# Altium PCB DAC_Sources_REV2.PcbDoc (part 2 of 9) (continued)
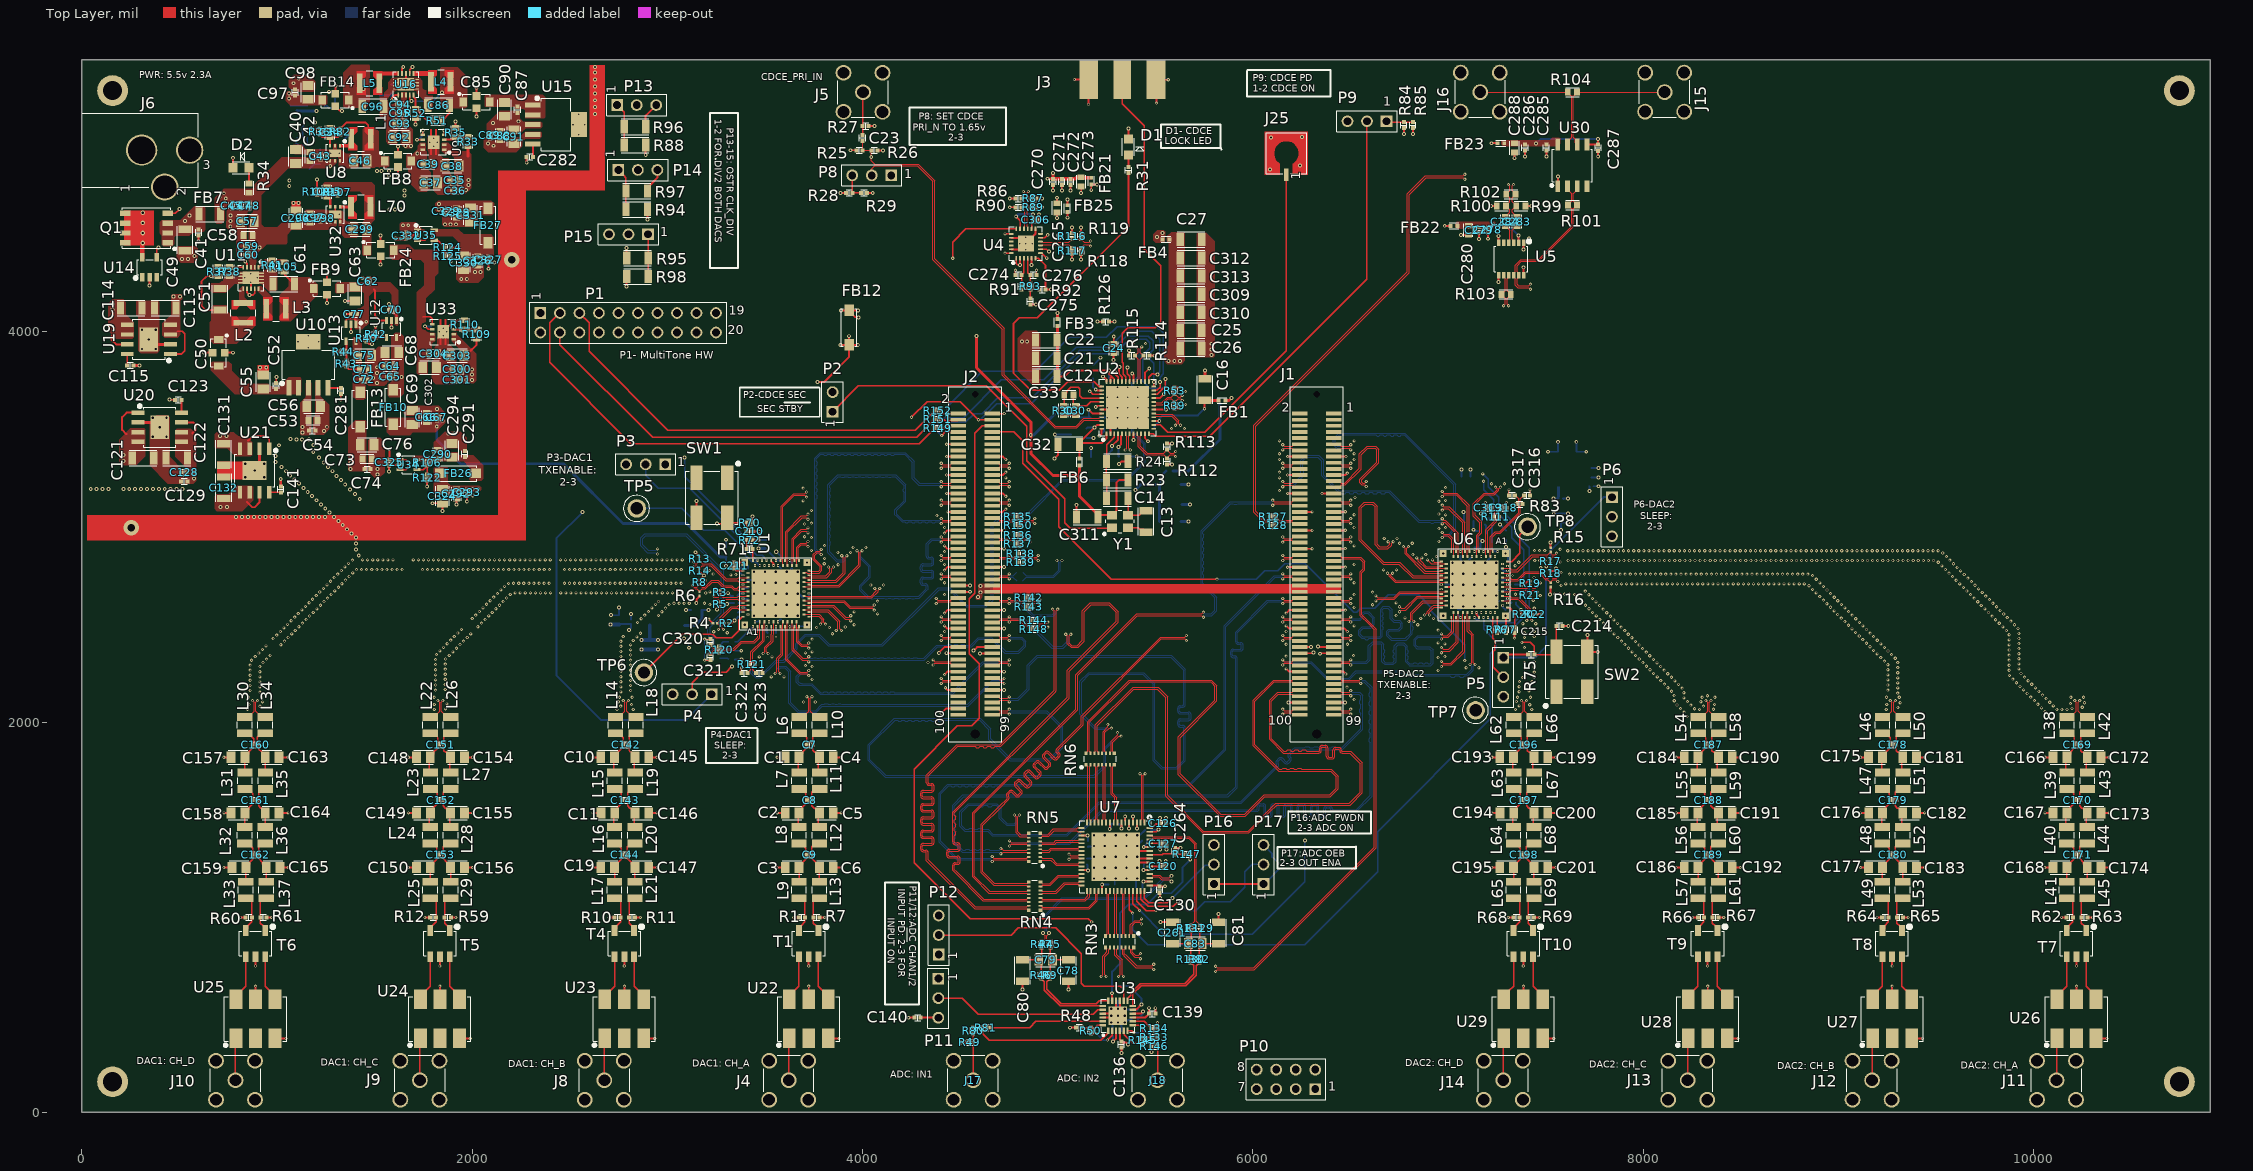
[diagram p0: Top Layer view]
## Part data (continued)
J1 J2: "Conn Fine Pitch Connector PL 100 POS 0.8mm Solder ST Top Entry SMD BergstakÂ® Tube", Package=None, Availability="In Stock", Check_prices=https://www.snapeda.com/parts/61083-104400LF/Amphenol/view-part/?ref=eda, MF=Amphenol, MP=61083-104400LF, Price=None, Purchase-URL=https://pricing.snapeda.com/search/part/61083-104400LF/?ref=eda, SnapEDA_Link=https://www.snapeda.com/parts/61083-104400LF/Amphenol/view-part/?ref=snap
J3: library part 89929399afe843c8b6880c6cbd0f99a, "CONN SMA JACK STR 50OHM EDGE MNT", Case/Package=SMA, Frequency=18GHz, Max Operating Temperature=165°C, Min Operating Temperature=-65°C, Operating Frequency="0 to 18 GHz", Package Quantity=5, Voltage Rating=335V, Body Material=Brass, Body Plating=Gold, Connector Type=SMA, Contact Material=Copper, Contact Plating=Gold, Depth=25.58mm, Fastening Type=Threaded, Gender=Female, Impedance=50R, Length=0.44inch, Max Frequency=18GHz, Mount=Edge, Orientation=Straight, Packaging=Bulk, Radiation Hardening=No, RoHS Compliant=Yes, Series=SMA, Termination=Solder
J4 J5 J8 J9 J10 J11 J12 J13 J14 J15 J16 J17 J18: library part CN-S-4F-RF5, "SMA Right-Angle PCB Jack Receptacle, Brass Body, Gold Plated, 50 Ohm, 5-Pin THD, RoHS, Tray", Manufacturer=Molex, Package Description="5-Pin Through Hole Device, Body 14.8 x 6.35 mm, Pitch 2.54 mm", Datasheet URL=http://www.molex.com/webdocs/datasheets/pdf/en-us/0731000114_RF_COAX_CONNECTORS.pdf, Datasheet Version=09/2016, Manufacturer URL=http://www.molex.com/, Mounting Technology=ThroughHole, Package Reference=731000114, Package URL=http://www.molex.com/pdm_docs/sd/731000114_sd.pdf
J6: library part SWITCH-RAPC712X-3, "Power Jack, 5 A, 3-Pin THD, RoHS, Bulk", Color=Black, Current Rating=5A, Manufacturer=Switchcraft, Standard Package=2,500, Catalog Drawings="RAPC7(1,2)2XSide /  / RAPC7(1,2)2XTop", Category=Connectors,Interconnects, Connector Type=Jack, Contact Material=Brass, Contact Material - Plating=Nickel, Datasheet URL=http://www.mouser.com/ds/2/393/rapc722x_cd-371352.pdf, Datasheet Version="Rev. A, 08/2005", Dynamic Catalog=SwitchcraftInc, Family=Barrel-PowerConnectors, Gender=Male, Housing Color=Black, Housing Material=Thermoplastic, Internal Switch(s)=SingleSwitch,NormallyClosed, Manufacturer URL=http://www.switchcraft.com/, Mating Products="S765-ND / -CONNPLUGMINIPWR2CONDWHT/RED / S760K-ND / -CONNPOWERPLUGMINI.08\"BLACK / SC1052-ND / -CONNPOWERPLUGMINIBLACK", Mounting Type=ThroughHole,RightAngle, Number of Positions/Contacts=2Conductors,2Contacts, Other Names="Q2287470A / RAPC722X-ND / SC1313", Plug/Mating Plug Diameter=2.1mmID,5.5mmOD, RoHS Information=SwitchcraftRoHSInfo, Shielding=Unshielded, Termination=SolderEyelet(s)
J25: library part d2a53f3a980517e545f22a6fb6569cc, "CONN SMP PLUG STR 50 OHM SMD", Dielectric Material=Polymer, Housing Color=Gold, Max Frequency=40GHz, Max Operating Temperature=155°C, Min Operating Temperature=-65°C, Package Quantity=1, Body Material=Brass, Body Plating=Gold, Center Contact Plating=Gold, Connector Type=Plug, Contact Material=Brass, Contact Plating=Gold, Depth=5.2mm, Fastening Type=Pull, Impedance=50R, Length=5mm, Mount="Surface Mount", Orientation=Straight, Packaging="Tape and Reel", Plating=Gold, Radiation Hardening=No, RoHS Compliant=Yes, Series=85305, Termination=Solder
L1 L2 L3 L4 L5 L70 RN3 RN4 RN5 RN6 U22 U23 U24 U25 U26 U27 U28 U29: library part Component_1
L6 L9 L10 L13 L14 L17 L18 L21 L22 L25 L26 L29 L30 L33 L34 L37 L38 L41 L42 L45 L46 L49 L50 L53 L54 L57 L58 L61 L62 L65 L66 L69: library part "Inductor Iron", LatestRevisionDate=17-Jul-2002, LatestRevisionNote="Re-released for DXP Platform.", PackageDescription="Axial Device, Thru-Hole; 2 Leads; 0.9 in Pin Spacing", PackageReference=AXIAL-0.9, Published=24-Mar-1999, Publisher="Altium Limited"
L7 L8 L11 L12 L15 L16 L19 L20 L23 L24 L27 L28 L31 L32 L35 L36 L39 L40 L43 L44 L47 L48 L51 L52 L55 L56 L59 L60 L63 L64 L67 L68: library part "Inductor Iron", "0805HP  33nH", LatestRevisionDate=17-Jul-2002, LatestRevisionNote="Re-released for DXP Platform.", PackageDescription="Axial Device, Thru-Hole; 2 Leads; 0.9 in Pin Spacing", PackageReference=AXIAL-0.9, Published=24-Mar-1999, Publisher="Altium Limited"
P1: "Header, 10-Pin, Dual row", LatestRevisionDate=17-Jul-2002, LatestRevisionNote="Re-released for DXP Platform.", Publisher="Altium Limited"
P2: "Header, 2-Pin", LatestRevisionDate=17-Jul-2002, LatestRevisionNote="Re-released for DXP Platform.", Publisher="Altium Limited"
P3 P4 P5 P6 P8 P9 P11 P12 P13 P14 P15 P16 P17: "Header, 3-Pin", LatestRevisionDate=17-Jul-2002, LatestRevisionNote="Re-released for DXP Platform.", Publisher="Altium Limited"
P10: "Header, 4-Pin, Dual row", LatestRevisionDate=17-Jul-2002, LatestRevisionNote="Re-released for DXP Platform.", Publisher="Altium Limited"
Q1: library part 7382af88e928fdc71488234cfaaf11c, "MOSFET N-CH 60V 100A 8VSON", Continuous Drain Current (ID)=100A, Drain to Source Voltage (Vdss)=60V, Gate to Source Voltage (Vgs)=20V, Input Capacitance=5.07nF, Max Operating Temperature=150°C, Max Power Dissipation=3.2W, Min Operating Temperature=-55°C, Contact Plating=Tin, Element Configuration=Single, Fall Time=3.1ns, Lead Free="Contains Lead", Mount="Surface Mount", Number of Pins=8, Packaging="Tape and Reel", Rds On Max=3.2mR, Rise Time=7.2ns, RoHS Compliant=Yes, Turn-Off Delay Time=22ns, Turn-On Delay Time=5.8ns
R1 R7 R10 R11 R12 R59 R60 R61 R62 R63 R64 R65 R66 R67 R68 R69: library part 1029c3af85768c4190bb7ad29bc67b5, "100Ω ±1% 0.063W 0402 Thick Film Chip Resistor AEC-Q200 compliant", Case Code (Imperial)=0402, Case Code (Metric)=1005, Max Operating Temperature=155°C, Max Power Dissipation=63mW, Min Operating Temperature=-55°C, Power Rating=62.5mW, Resistance=100R, Resistor Type="Thick Film", Temperature Coefficient=100ppm/°C, Tolerance=1%, Case/Package=0402, Construction=Rectangular, Contact Plating=Tin, Depth=0.5mm, Features="Automotive AEC-Q200", Height=0.016inch, Lead Free="Lead Free", Length=1mm, Military Standard=Not, Mount="Surface Mount", Number of Terminations=2, Packaging="Tape and Reel", RoHS Compliant=Yes, Series=RMCF, Width=0.02inch
R2 R3 R4 R5 R6 R8 R13 R14 R15 R16 R17 R18 R19 R20 R21 R22 R31 R37 R51 R72 R77 R99 R100: library part RES, Manufacturer="Vishay Dale"
  R2 R3 R4 R5 R6 R8 R13 R14 R15 R16 R17 R18 R19 R20 R21 R22: Part Number=CRCW020149R9FKED
  R31: Part Number=CRCW0402301RFKED
  R37 R51: Part Number=CRCW0603750KFKEA
  R72 R77: Part Number=CRCW040210R0FKED
  R99 R100: Part Number=CRCW060349R9FKEA
R9 R46 R82 R130 R147: library part 1029c3af85768c4190bb7ad29bc67b5, "RES 33Ω ±1% 0.063W 0402", Case Code (Imperial)=0402, Case Code (Metric)=1005, Max Operating Temperature=155°C, Max Power Dissipation=63mW, Min Operating Temperature=-55°C, Power Rating=62.5mW, Resistance=33R, Resistor Type="Thick Film", Temperature Coefficient=100ppm/°C, Tolerance=1%, Voltage Rating=50V, Case/Package=0402, Construction=Rectangular, Depth=0.5mm, Features="Moisture Resistant", Height=0.015inch, Lead Free="Lead Free", Length=0.039inch, Military Standard=Not, Mount="Surface Mount", Number of Terminations=2, Packaging="Tape and Reel", RoHS Compliant=Yes, Series=AC, Size Code=0402, Termination=SMD/SMT, Weight=2.3E-05oz, Width=0.5mm
R23 R24: library part 1029c3af85768c4190bb7ad29bc67b5, "10kΩ ±1% 0.5W 1206 High Power Anti-Sulfur Thin Film Chip Resistor", Case Code (Imperial)=1206, Case Code (Metric)=3216, Max Operating Temperature=155°C, Max Power Dissipation=500mW, Min Operating Temperature=-55°C, Resistance=10kR, Resistor Type="Thin Film", Temperature Coefficient=100ppm/°C, Tolerance=1%, Case/Package=1206, Features="Moisture Resistant", Height=0.024inch, Length=0.122inch, Mount="Surface Mount", Number of Terminations=2, Packaging="Tape and Reel", RoHS Compliant=Yes, Series=RNCP, Width=0.059inch
R25 R26 R28 R29 R33 R41 R42 R44 R55 R56 R58 R71 R76 R84 R85 R86 R87 R89 R90 R109 R116 R117 R118 R119 R122 R125: library part RES, Manufacturer=Panasonic
  R25 R28 R84: Part Number=ERJ-2RKF82R5X
  R26 R29 R85 R86 R87 R89 R90 R116 R117 R118 R119: Part Number=ERJ-2RKF1300X
  R33 R109: Part Number=ERJ-3EKF3092V
  R41 R55: Part Number=ERJ-3EKF1823V
  R42 R44 R56 R58 R122 R125: Part Number=ERJ2RKF3303X
  R71 R76: Part Number=ERJ-2RKF1271X
R27 R91 R93: library part 8db39607336c341a927600551d01821, "RES SMD 49.9 OHM 1% 1/10W 0402", Case Code (Imperial)=0402, Case Code (Metric)=1005, Max Operating Temperature=155°C, Max Power Dissipation=100mW, Min Operating Temperature=-55°C, Package Quantity=1, Resistance=49.9R, Resistance Tolerance=1%, Resistor Type="Thick Film", Temperature Coefficient=100ppm/°C, Voltage Rating=50V, Case/Package=0402, Construction=Rectangular, Contact Plating=Tin, Depth=0.5mm, Features="Automotive AEC-Q200", Height=0.35mm, Lead Free="Lead Free", Length=1mm, Military Standard=Not, Mount="Surface Mount", Number of Terminations=2, Packaging="Tape and Reel", Power Rating=100mW, Radiation Hardening=No, RoHS Compliant=Yes, Series=ERJ, Technology="THICK FILM", Termination=SMD/SMT, Tolerance=1%, Voltage Rating (DC)=50V, Width=0.02inch, Working Voltage=50V
R30: library part 1029c3af85768c4190bb7ad29bc67b5, "RES 1K OHM 1% 1/10W 0603", Case Code (Imperial)=0603, Case Code (Metric)=1608, Max Operating Temperature=155°C, Max Power Dissipation=100mW, Min Operating Temperature=-55°C, Resistance=1kR, Resistance Tolerance=1%, Resistor Type="Thick Film", Temperature Coefficient=100ppm/°C, Voltage Rating=50V, Case/Package=0603, Construction=Rectangular, Contact Plating=Tin, Depth=0.8mm, Features="Moisture Resistant", Height=0.45mm, Lead Free="Lead Free", Length=1.6mm, Military Standard=Not, Number of Terminations=2, Packaging="Tape and Reel", Power Rating=100mW, Radiation Hardening=No, REACH SVHC="No SVHC", RoHS Compliant=Yes, Series=RC, Size Code=0603, Technology="THICK FILM", Termination=SMD/SMT, Tolerance=1%
R32 R107: library part RES, "750K 0.063W 5% 0402 (1005 Metric)  SMD", Case-EIA=0402, Case-Metric=1005, Power="0.063 W", Tolerance="5 %", Technology=SMT
R34 R35 R110: library part RES-2, "Chip Resistor, 10 KOhm, +/- 1%, 0.1 W, -55 to 155 degC, 0603 (1608 Metric), RoHS, Tape and Reel", Case Code (Imperial)=0603, Case Code (Metric)=1608, Manufacturer=Panasonic, Max Operating Temperature=155degC, Max Power Dissipation=100mW, Min Operating Temperature=-55degC, Package Description="2-Pin Surface Mount Device, Body 1.6 x 0.85 mm", Package Quantity=1, Package Reference=603, Resistance=10KOhm, Temperature Coefficient=100ppm\/degreesC, Tolerance=1%, Voltage Rating=75V, Case\/Package=0603, Composition=ThickFilm, Contact Plating=Tin, Datasheet URL=https://industrial.panasonic.com/cdbs/www-data/pdf/RDA0000/AOA0000C304.pdf, Datasheet Version=02/2017, Depth=0.8mm, Height=0.45mm, Lead Free=LeadFree, Length=1.6mm, Manufacturer URL=http://www.panasonic.com/, Military Standard=Not, Mount=SurfaceMount, Mounting Technology=SurfaceMount, Number of Pins=2, Number of Terminations=2, Packaging=TapeandReel, Power Rating=100mW, Radiation Hardening=No, REACH SVHC=NoSVHC, RoHSCompliant=true, Termination=SMD/SMT, Voltage Rating (DC)=75V, Width=0.031inch
R36 R108: library part 1029c3af85768c4190bb7ad29bc67b5, "RES 150K OHM 1% 1/16W 0402", Case Code (Imperial)=0402, Case Code (Metric)=1005, Max Operating Temperature=155°C, Max Power Dissipation=63mW, Min Operating Temperature=-55°C, Package Quantity=1, Resistance=150kR, Resistance Tolerance=1%, Resistor Type="Thick Film", Temperature Coefficient=100ppm/°C, Voltage Rating=50V, Case/Package=0402, Construction=Rectangular, Depth=0.5mm, Features="Moisture Resistant", Height=0.016inch, Lead Free="Lead Free", Length=1mm, Military Standard=Not, Number of Pins=2, Number of Terminations=2, Packaging="Tape and Reel", Power Rating=63mW, REACH SVHC="No SVHC", RoHS Compliant=Yes, Series=RC, Technology="THICK FILM", Termination=SMD/SMT, Tolerance=1%, Voltage Rating (DC)=50V, Width=0.5mm, Working Voltage=50V
R38 R52: library part 1029c3af85768c4190bb7ad29bc67b5, Case Code (Imperial)=0603, Case Code (Metric)=1608, Max Operating Temperature=155°C, Max Power Dissipation=100mW, Min Operating Temperature=-55°C, Resistance=150kΩ, Temperature Coefficient=100ppm/°C, Tolerance=1%, Voltage Rating=50V, Case/Package=0603, Composition="Thick Film", Depth=800µm, Features="Moisture Resistant", Height=450µm, Lead Free="Lead Free", Length=1.6mm, Military Standard=Not, Mount="Surface Mount", NexarPartId=40301068, Number of Pins=2, Number of Terminations=2, Packaging="Tape & Reel", Power Rating=100mW, REACH SVHC="No SVHC", RoHS=Compliant, Schedule B="8533210045, 8533210045", Termination=SMD/SMT, Voltage Rating (AC)=50V, Voltage Rating (DC)=50V, Width=800µm
R39 R53 R114 R115: library part 1029c3af85768c4190bb7ad29bc67b5, "RES SMD 150 OHM 1% 1/10W 0402", Case Code (Imperial)=0402, Case Code (Metric)=1005, Max Operating Temperature=155°C, Max Power Dissipation=100mW, Min Operating Temperature=-55°C, Package Quantity=1, Resistance=150R, Resistance Tolerance=1%, Resistor Type="Thick Film", Temperature Coefficient=100ppm/°C, Voltage Rating=50V, Case/Package=0402, Construction=Rectangular, Contact Plating=Tin, Depth=0.5mm, Features="Automotive AEC-Q200", Height=0.35mm, Lead Free="Lead Free", Length=1mm, Military Standard=Not, Mount="Surface Mount", Number of Pins=2, Number of Terminations=2, Packaging="Tape and Reel", Power Rating=100mW, Radiation Hardening=No, REACH SVHC="No SVHC", RoHS Compliant=Yes, Series=ERJ, Size Code=0402, Technology="THICK FILM", Termination=SMD/SMT, Tolerance=1%, Voltage Rating (DC)=50V, Width=0.02inch
R40 R43 R54 R57 R88 R94 R95 R96 R97 R98 R106 R124: library part RES, Manufacturer=Yageo
  R40 R43 R54 R57 R106 R124: Part Number=RC0402FR-07174KL
  R88 R94 R95 R96 R97 R98: Part Number=RC1206FR-0760K4L
R45 R47 R129 R131: library part 1029c3af85768c4190bb7ad29bc67b5, "RES 15Ω ±1% 0.063W 0402", Case Code (Imperial)=0402, Case Code (Metric)=1005, Max Operating Temperature=155°C, Max Power Dissipation=63mW, Min Operating Temperature=-55°C, Resistance=15R, Resistor Type="Thick Film", Temperature Coefficient=100ppm/°C, Tolerance=1%, Case/Package=0402, Features="Moisture Resistant", Height=0.015inch, Length=0.039inch, Number of Terminations=2, Packaging="Cut Tape", RoHS Compliant=Yes, Series=AC, Width=0.02inch
R48 R132: library part 1029c3af85768c4190bb7ad29bc67b5, "RES 120Ω ±1% 0.063W 0402", Case Code (Imperial)=0402, Case Code (Metric)=1005, Max Operating Temperature=155°C, Max Power Dissipation=63mW, Min Operating Temperature=-55°C, Power Rating=62.5mW, Resistance=120R, Resistor Type="Thick Film", Temperature Coefficient=100ppm/°C, Tolerance=1%, Voltage Rating=50V, Case/Package=0402, Features="Moisture Resistant", Height=0.015inch, Length=0.039inch, Number of Terminations=2, Packaging="Tape and Reel", RoHS Compliant=Yes, Series=AC, Termination=SMD/SMT, Width=0.5mm
R49 R146: library part 1029c3af85768c4190bb7ad29bc67b5, "RES 76.8Ω ±1% 0.063W 0402", RoHS Compliant=Yes
R50 R81 R134 R145: library part 1029c3af85768c4190bb7ad29bc67b5, "RES 200Ω ±1% 0.063W 0402", Case Code (Imperial)=0402, Case Code (Metric)=1005, Max Operating Temperature=155°C, Max Power Dissipation=63mW, Min Operating Temperature=-55°C, Resistance=200R, Resistor Type="Thick Film", Temperature Coefficient=100ppm/°C, Tolerance=1%, Case/Package=0402, Features="Moisture Resistant", Height=0.015inch, Lead Free="Lead Free", Length=0.039inch, Number of Terminations=2, Packaging="Cut Tape", Power Rating=63mW, RoHS Compliant=Yes, Series=AC, Size Code=0402, Width=0.02inch
R70 R73 R75 R78: library part RES-2, "Chip Resistor, 1 KOhm, +/- 1%, 100 mW, -55 to 155 degC, 0402 (1005 Metric), RoHS, Tape and Reel", Case Code (Imperial)=0402, Case Code (Metric)=1005, Manufacturer="Basic Passives", Max Operating Temperature="155 degC", Min Operating Temperature="-55 degC", Package Quantity=10000, Power Rating="100 mW", Resistance="1 KOhm", Tolerance=1%, Voltage Rating="50 V", Case\/Package=0402, ComponentLink1Description="Manufacturer URL", ComponentLink1URL=http://www.panasonic.com/, ComponentLink2Description=Datasheet, ComponentLink2URL=http://industrial.panasonic.com/cdbs/www-data/pdf/RDA0000/AOA0000C86.pdf, DatasheetVersion=04/2015, Height="0.35 mm", Length="1 mm", Mount="Surface Mount", Mounting Technology="Surface Mount", PackageDescription="2-Pin Surface Mount Device, Body 1 x 0.5 mm", PackageReference=0402, Packaging="Tape and Reel", PartNumber=ERJ-2RKF1001X, Pins=2, Radiation Hardening=No, REACH SVHC=Yes, RoHSCompliant=true, Width="0.5 mm"
R74 R79 R92 R126 R127 R128: library part RES-2, "Chip Resistor, 0 Ohm, 0.1 W, -55 to 155 degC, 0402 (1005 Metric), RoHS, Tape and Reel", Case Code (Imperial)=0402, Case Code (Metric)=1005, Manufacturer=Panasonic, Max Operating Temperature=155degC, Max Power Dissipation=100mW, Min Operating Temperature=-55degC, Package Description="2-Pin Surface Mount Device, Body 1 x 0.5 mm", Package Quantity=1, Package Reference=402, Resistance=0mOhm, Temperature Coefficient=600ppm/��C, Tolerance=5%, Voltage Rating=50V, Case/Package=0402, Composition=ThickFilm, Contact Plating=Tin, Datasheet URL=https://industrial.panasonic.com/cdbs/www-data/pdf/RDA0000/AOA0000C301.pdf, Datasheet Version=03/2015, Depth=0.5mm, Height=0.35mm, Lead Free=LeadFree, Length=1mm, Manufacturer URL=http://www.panasonic.com/, Military Standard=Not, Mount=SurfaceMount, Mounting Technology=SurfaceMount, Number of Terminations=2, Packaging=TapeandReel, Power Rating=100mW, Radiation Hardening=No, REACH SVHC=NoSVHC, RoHSCompliant=True, Termination=SMD/SMT, Voltage Rating (DC)=50V, Width=0.02inch
R80 R133: library part 1029c3af85768c4190bb7ad29bc67b5, "RES 91Ω ±1% 0.063W 0402", Case/Package=0402, Max Operating Temperature=155°C, Max Power Dissipation=63mW, Min Operating Temperature=-55°C, Resistance=91R, Resistor Type="Thick Film", Temperature Coefficient=100ppm/°C, Tolerance=1%, Features="Moisture Resistant", Height=0.015inch, Length=0.039inch, Number of Terminations=2, Packaging="Tape and Reel", RoHS Compliant=Yes, Series=AC, Width=0.02inch
R83 R111 R120 R121: library part CMP-1011-00397-3, "RES Thick Film, 100Ω, 1%, 0.063W, 100ppm/°C, 0402", Case Code (Imperial)=0402, Case Code (Metric)=1005, Max Operating Temperature=155°C, Max Power Dissipation=63mW, Min Operating Temperature=-55°C, Package Quantity=10, Resistance=100R, Temperature Coefficient=100ppm/°C, Tolerance=1%, Voltage Rating=50V, Case/Package=0402, Composition="Thick Film", Contact Plating=Tin, Depth=0.5mm, Features="Automotive AEC-Q200", Height=0.35mm, Lead Free="Lead Free", Length=1mm, Military Standard=Not, Mount="Surface Mount", Number of Terminations=2, Packaging="Tape and Reel", Power Rating=63mW, Radiation Hardening=No, Termination=SMD/SMT, Voltage Rating (DC)=50V, Weight=2.3E-05oz, Width=0.02inch, Working Voltage=50V
R101 R102 R103 R104: library part 1029c3af85768c4190bb7ad29bc67b5, "RES Thick Film, 100Ω, 5%, 0.1W, 200ppm/°C, 0603", Case Code (Imperial)=0603, Case Code (Metric)=1608, Max Operating Temperature=155°C, Max Power Dissipation=100mW, Min Operating Temperature=-55°C, Package Quantity=1, Resistance=100R, Temperature Coefficient=200ppm/°C, Tolerance=5%, Voltage Rating=75V, Case/Package=0603, Composition="Thick Film", Contact Plating=Tin, Depth=0.85mm, Features="Automotive AEC-Q200", Height=0.02inch, Length=1.55mm, Military Standard=Not, Number of Terminations=2, Packaging="Tape and Reel", Power Rating=100mW, Radiation Hardening=No, Termination=SMD/SMT, Weight=7.1E-05oz, Width=0.85mm
R105 R123: "Anti-Sulfurated Chip Resistors Automotive Grade 270kΩ 1% 100ppm/°C 0603", Case/Package=0603, Max Operating Temperature=155°C, Max Power Dissipation=100mW, Min Operating Temperature=-55°C, Resistance=270kR, Resistor Type="Thick Film", Temperature Coefficient=100ppm/°C, Tolerance=1%, Features="Moisture Resistant", Height=0.022inch, Length=0.063inch, Number of Terminations=2, Packaging="Tape and Reel", RoHS Compliant=Yes, Series=AF, Width=0.031inch
R112 R113: library part CMP-1011-00415-3, "RES SMD 150 OHM 1% 1/10W 0402", Case Code (Imperial)=0402, Case Code (Metric)=1005, Max Operating Temperature=155°C, Max Power Dissipation=100mW, Min Operating Temperature=-55°C, Package Quantity=1, Resistance=150R, Resistance Tolerance=1%, Resistor Type="Thick Film", Temperature Coefficient=100ppm/°C, Voltage Rating=50V, Case/Package=0402, Construction=Rectangular, Contact Plating=Tin, Depth=0.5mm, Features="Automotive AEC-Q200", Height=0.35mm, Lead Free="Lead Free", Length=1mm, Military Standard=Not, Mount="Surface Mount", Number of Pins=2, Number of Terminations=2, Packaging="Tape and Reel", Power Rating=100mW, Radiation Hardening=No, REACH SVHC="No SVHC", RoHS Compliant=Yes, Series=ERJ, Size Code=0402, Technology="THICK FILM", Termination=SMD/SMT, Tolerance=1%, Voltage Rating (DC)=50V, Width=0.02inch
R135 R136 R137 R138 R139 R140 R141 R142 R143 R144 R148 R149 R150 R151 R152: library part RES, Manufacturer="Yageo / Phycomp", Part Number=RC0402JR-070RL
SW1 SW2: library part a6a22157dac91622554311b1edc5dcf, "SWITCH TACTILE SPST-NO 1VA 32V", Contact Resistance=50mΩ, Manufacturer="C&K Components", Operating Force=300gf, Package=0, Temperature="-40°C to +90°C", Temperature Range High=+90°C, Temperature Range Low=-40°C, Voltage Rating Ac=32V, Automotive=No, Category=Switch, ComponentLink2Description=Datasheet, ComponentLink2URL=https://dznh3ojzb2azq.cloudfront.net/products/Tactile/KT/documents/datasheet.pdf, Device Class L1=Electromechanical, Device Class L2=Switches, Device Class L3="Tactile Switches", Digikey Description="SWITCH TACTILE SPST-NO 1VA 32V", Electromechanical Life=100000Cycles, Height=4.1mm, Lead Free=Yes, Manufacturer Part Number=KT11P3JM34LFS, Mount="Surface Mount", Mouser Description="Tactile Switches 1.12Mm Silvr J-Lead", Octopart=https://octopart.com/kt11p3jm34lfs-c%26k+components-55425764, RoHS=TRUE, Standoff Height=0.14mm, Throw Configuration=SPST-NO, Voltage Rating Dc=32V
T1 T4 T5 T6 T7 T8 T9 T10: library part 4f5dfae470883114705f86a4213dd5e, "BALUN 4.5MHZ-3GHZ 1:1 5SMD", Frequency=4.5-3000MHz, Manufacturer=MA-COM, Temperature="-55°C to +85°C", Temperature Range High=+85°C, Temperature Range Low=-55°C, Automotive=No, Bandwidth=2995.5MHz, Category=Trans, ComponentLink2Description=Datasheet, ComponentLink2URL=http://cdn.macom.com/datasheets/ETC1-1-13.pdf, Device Class L1="Passive Components", Device Class L2="EMI / RFI Components", Device Class L3=RF, Digikey Description="BALUN 4.5MHZ-3GHZ 1:1 5SMD", Height=2.95mm, Insertion Loss=3.5dB, Lead Free=Yes, Manufacturer Part Number=ETC1-1-13TR, Mouser Description="RF Transformer 1: 1 5 Terminal SMD", Octopart=https://octopart.com/etc1-1-13tr-ma-com-7863633, Package=ETC1-1-13TR, RoHS=TRUE
TP5 TP6 TP7 TP8: library part TESTPOINT_RED, "Test Point, Red, Through Hole, RoHS, Bulk", Colour=Red, Manufacturer=Keystone, Package Quantity=100, ComponentLink1Description="Manufacturer URL", ComponentLink1URL=http://www.keyelco.com/, ComponentLink2Description=Datasheet, ComponentLink2URL=http://www.keyelco.com/product-pdf.cfm?p=1319, Contact Material=Bronze, Contact Plating=Silver, DatasheetVersion="Rev. F, 12/2013", Height="8.12 mm", Mount="Through Hole", Mounting Technology="Through Hole", PackageDescription="1-Pin Through Hole Device, Dia 3.17 mm", PackageReference=5010, Packaging=Bulk, Pins=1, REACH SVHC="No SVHC", RoHSCompliant=true
U1 U6: library part TI-DAC348XRKD88-6300X6300TP, "4-Channel 16-Bit 1.25 GSPS DAC, -40 to 85 degC, 88-pin QFN (RKD88), Green (RoHS & no Sb/Br)", Manufacturer="Texas Instruments", Power Consumption(Typ)(mW)=1270, ComponentLink1Description="Manufacturer URL", ComponentLink1URL=http://www.ti.com/, ComponentLink2Description=Datasheet, ComponentLink2URL=http://www.ti.com/general/docs/lit/getliterature.tsp?genericPartNumber=DAC3484&fileType=pdf, ComponentLink3Description="Package Specification", ComponentLink3URL=http://www.ti.com/litv/pdf/mpqf242, DAC Channels=4, DatasheetVersion=SLAS749C, Eco-Plan="Green (RoHS & no Sb/Br)", Interface="Parallel LVDS", Mounting Technology="Surface Mount", PackageDescription="88-Pin Plastic Quad Flatpack No-Lead, Body 9 x 9 mm, Pitch 0.6 mm", PackageReference=RKD88-6300X6300TP, PackageVersion="4210251/A, 04/2009", PartNumber=DAC3484IRKDT, Resolution(Bits)=16, Settling Time(us)=0.01, SFDR(dB)=82, SubFamily="High Speed DAC (>10MSPS)"
U2: library part 79e6de338fe35b6fdc3d186d6aa1691, "IC CLK SYNTH/JITTER CLEANR 48QFN", Case/Package=VQFN, Frequency=1.175GHz, Input Current=20mA, Max Frequency=1.5GHz, Max Operating Temperature=85°C, Max Power Dissipation=1.7W, Max Supply Voltage=3.6V, Min Operating Temperature=-40°C, Min Supply Voltage=3V, Operating Supply Voltage=3.3V, Package Quantity=1, Contact Plating=Gold, Height=0.8mm, Input=Crystal, Interface=SPI, Lead Free="Lead Free", Length=6.85mm, Mount="Surface Mount", Nominal Supply Current=20mA, Number of Circuits=1, Number of Outputs=5, Number of Pins=48, Packaging="Tape and Reel", PLL=Yes, Radiation Hardening=No, REACH SVHC="No SVHC", RoHS Compliant=Yes, Series=CDCE62005, Supply Current=20mA, Termination=SMD/SMT, Weight=0.004868oz, Width=6.85mm
U3: library part fefbec2708a79eb2d27bfd4b915d167, "IC OPAMP DIFF 2 CIRCUIT 24LFCSP", Case/Package="LFCSP EP", Input Bias Current=23uA, Input Offset Voltage (Vos)=150uV, Input Resistance=3MR, Max Operating Temperature=105°C, Max Supply Voltage=5.5V, Min Operating Temperature=-40°C, Operating Supply Current=34mA, Output Current per Channel=30mA, Package Quantity=1, Power Supply Rejection Ratio (PSRR)=71dB, Voltage Gain=64dB, -3db Bandwidth=1.35GHz, Amplifier Type=DIFFERENTIAL, Bandwidth=1.43GHz, Common Mode Rejection Ratio=77dB, Contact Plating=Tin, Lead Free="Contains Lead", Mount="Surface Mount", Number of Amplifiers=2, Number of Channels=2, Number of Circuits=2, Number of Elements=2, Number of Pins=24, Packaging="Tape and Reel", REACH SVHC="No SVHC", RoHS Compliant=Yes, Series=-, Slew Rate=3400V/µs
U4: "1:3 LVPECL clock buffer with programable divider", Package="QFN-24 Texas Instruments", Check_prices=https://www.snapeda.com/parts/CDCP1803RGET/Texas+Instruments/view-part/?ref=eda, MF="Texas Instruments", MP=CDCP1803RGET, SnapEDA_Link=https://www.snapeda.com/parts/CDCP1803RGET/Texas+Instruments/view-part/?ref=snap
U5: library part 599d8c5e20d6343fb63873f0ba23ec7, "IC CLK BUFFER DVR 1:2 12MSOP", Case/Package=MSOP, Max Operating Temperature=125°C, Max Supply Voltage=3.45V, Min Operating Temperature=-40°C, Min Supply Voltage=3.15V, Operating Supply Voltage=3.3V, Mount="Surface Mount", Number of Outputs=2, Number of Pins=12, Propagation Delay=4.4ns, Radiation Hardening=No, RoHS Compliant=Yes
U7: "14-Bit, 170 MSPS/210 MSPS/250 MSPS, 1.8 V Dual Analog-to-Digital Converter (ADC)", Manufacturer_Name="Analog Devices Inc", Copyright="Copyright (C) 2025 Ultra Librarian. All rights reserved.", Design Item ID=AD9643BCPZ-250, Manufacturer_Part_Number=AD9643BCPZ-250, RefDes=RefDes, Source=AD9643BCPZ-250.SchLib, Type=Type
U8 U32: library part e18bba32e79127f802312c6d0d2e879, "IC REG BUCK ADJUSTABLE 1A 6SON", Case/Package=SON, Max Input Voltage=6V, Max Operating Temperature=85°C, Max Output current=1A, Min Input Voltage=2.3V, Min Operating Temperature=-40°C, Min Output Voltage=600mV, Package Quantity=1, Quiescent Current=15uA, Switching Frequency=2.25MHz, Lead Free="Lead Free", Max Output Voltage=6V, Mount="Surface Mount", Number of Outputs=1, Number of Pins=6, Operating Supply Voltage=6V, Output Current=1A, Output Type=Adjustable, Output Voltage=6V, Packaging="Tape and Reel", Radiation Hardening=No, REACH SVHC="No SVHC", RoHS Compliant=Yes, Series=-, Synchronous Rectifier=Yes, Weight=0.000342oz
U9 U33: library part TI-TPS7A8X01DRB8-1750X1500TP, "Single Output LDO, 1 A, Adjustable 0.8 to 6 V Output, 2.2 to 6.5 V Input, with High-Bandwidth PSRR, 8-pin SON (DRB), -40 to 125 degC, Green (RoHS & no Sb/Br)", Manufacturer="Texas Instruments", Accuracy(%)=3, ComponentLink1Description="Manufacturer URL", ComponentLink1URL=http://www.ti.com/, ComponentLink2Description=Datasheet, ComponentLink2URL=http://www.ti.com/general/docs/lit/getliterature.tsp?genericPartNumber=TPS7A8001&fileType=pdf, ComponentLink3Description="Package Specification", ComponentLink3URL=http://www.ti.com/litv/pdf/mpds118h, DatasheetVersion=SBVS135G, Eco-Plan="Green (RoHS & no Sb/Br)", Iout(Max)(A)=1, Iq(Typ)(mA)=0.04, Mounting Technology="Surface Mount", PackageDescription="8-Pin Plastic Small Outline, Body 3 x 3 mm, Pitch 0.65 mm", PackageReference=DRB0008A, PackageVersion=4203482-2/K, PartNumber=TPS7A8001DRBR, SubFamily="Single Channel LDO", Vdo(Typ)(mV)=170, Vin(Max)(V)=6.5, Vin(Min)(V)=2.2, Vout Adj(Max)(V)=6, Vout Adj(Min)(V)=0.8
U10 U15: library part TI-TPS7XXXXXXXX, "Single Output High PSRR LDO, 1 A, Fixed 3.3 V Output, 2.7 to 5.5 V Input, 6-pin SOT-223 (DCQ), -40 to 125 degC, Green (RoHS & no Sb/Br)", Manufacturer="Texas Instruments", PartNumber=TPS79633DCQ, Accuracy(%)=2, ComponentLink1Description="Manufacturer URL", ComponentLink1URL=http://www.ti.com/, ComponentLink2Description=Datasheet, ComponentLink2URL=http://www.ti.com/general/docs/lit/getliterature.tsp?genericPartNumber=TPS79633&fileType=pdf, ComponentLink3Description="Package Specification", ComponentLink3URL=http://www.ti.com/litv/pdf/mpds098c, DatasheetVersion=SLVS351N, Eco-Plan="Green (RoHS & no Sb/Br)", Fixed Output Options(V)=3.3, Iout(Max)(A)=1, Iq(Typ)(mA)=0.26, Mounting Technology="Surface Mount", PackageDescription="6-Pin Plastic Small Outline, Body 3.5 x 6.5 mm, Pitch 1.27 mm", PackageReference=DCQ0006A, PackageVersion=4202109/D, SubFamily="Single Channel LDO", Vdo(Typ)(mV)=220, Vin(Max)(V)=5.5, Vin(Min)(V)=2.7, Vout Adj(Max)(V)=3.3, Vout Adj(Min)(V)=3.3
U11 U16: library part TI-TPS62420DRC10-2400X1650TP, "Buck Adjustable Regulator with 2.5 to 6 V Input and 0.6 to 6 V Output, -40 to 85 degC, 10-Pin SON (DRC), Green (RoHS & no Sb/Br)", Dynamic Voltage Scaling=TRUE, Manufacturer="Texas Instruments", Rating=Catalog, Switch Current Limit(Typ)(A)=1, ComponentLink1Description=Datasheet, ComponentLink1URL=http://www.ti.com/general/docs/lit/getliterature.tsp?genericPartNumber=TPS62420&fileType=pdf, ComponentLink2Description="Package Specification", ComponentLink2URL=http://www.ti.com/litv/pdf/mpds117k, ComponentLink3Description="URL Link1", ComponentLink3URL="Samples URL:http://www.ti.com/product/tps62420#samples", DatasheetVersion=SLVS676C, Duty Cycle(Max)(%)=100, Eco-Plan="Green (RoHS & no Sb/Br)", Iout2(Max)(A)=1, Iout(Max)(A)=0.6, Iq(Typ)(mA)=0.032, Mounting Technology="Surface Mount", PackageDescription="10-Pin Plastic Small Outline No-Lead, 3 x 3 x 1 mm Body, 0.5 mm Pitch, Exposed Pad", PackageReference=DRC0010J, PackageVersion="revL, Sep-2011", PartNumber=TPS62420DRCR, Regulated Outputs(#)=2, SubFamily="Step-Down Regulator", Synchronous Rectification=TRUE, Topology=Buck, Vin(Max)(V)=6, Vin(Min)(V)=2.5, Vout2(Max)(V)=6, Vout2(Min)(V)=0.6, Vout(Max)(V)=6, Vout(Min)(V)=0.6